# Altium PCB IG-1.PCBDOC (part 1 of 2)
Units mil, origin at the board's own origin, x right, y up, seen from the top; angles counter-clockwise.
Board outline 2566.93 x 964.57 mil, 4 copper layers (Top, GND Plane, Mid1-Ver, Bottom), stack 61.6 mil thick; 40 components, 37 nets, 555 pads, 335 vias.
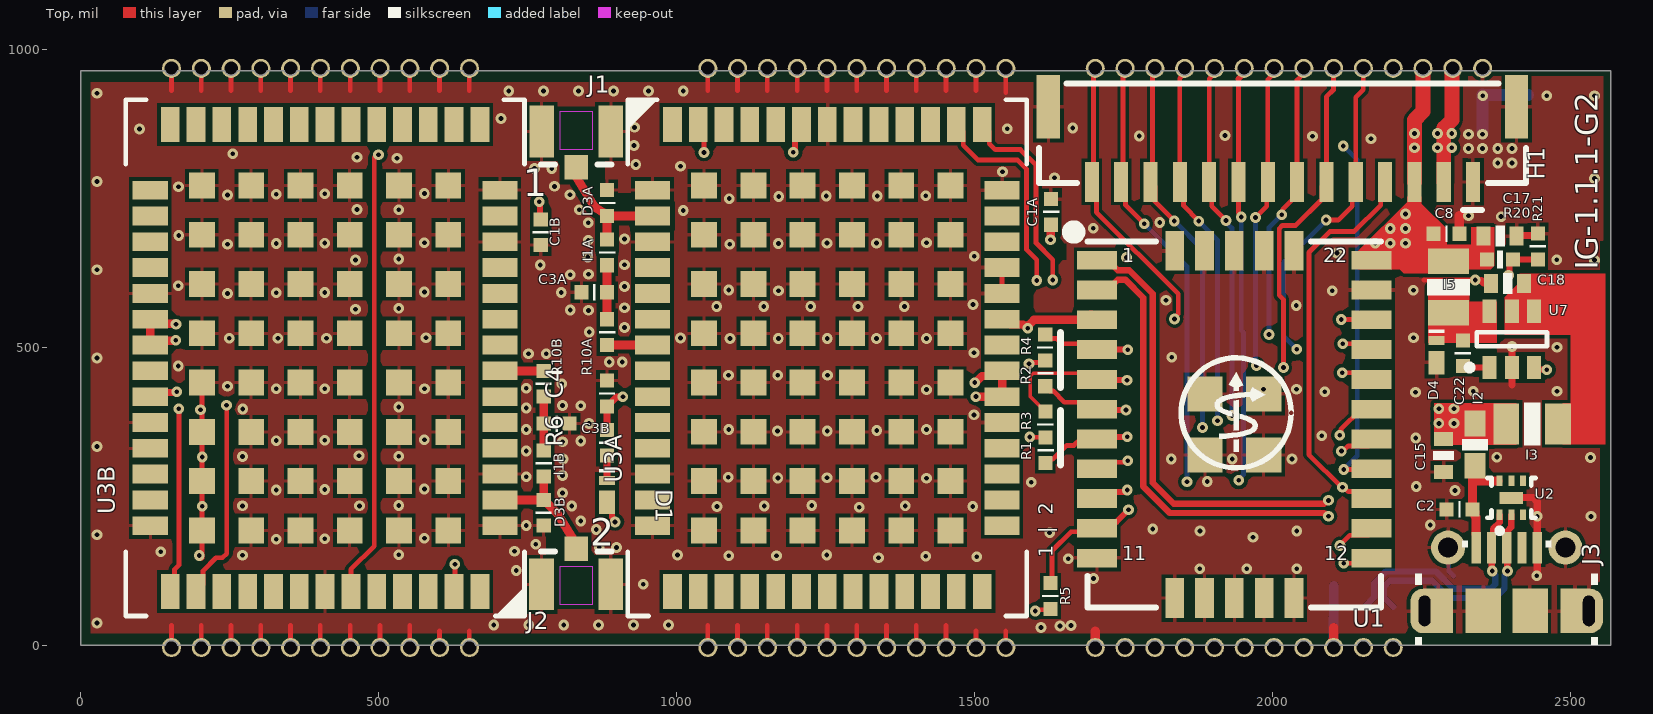
[diagram p0: Top view]
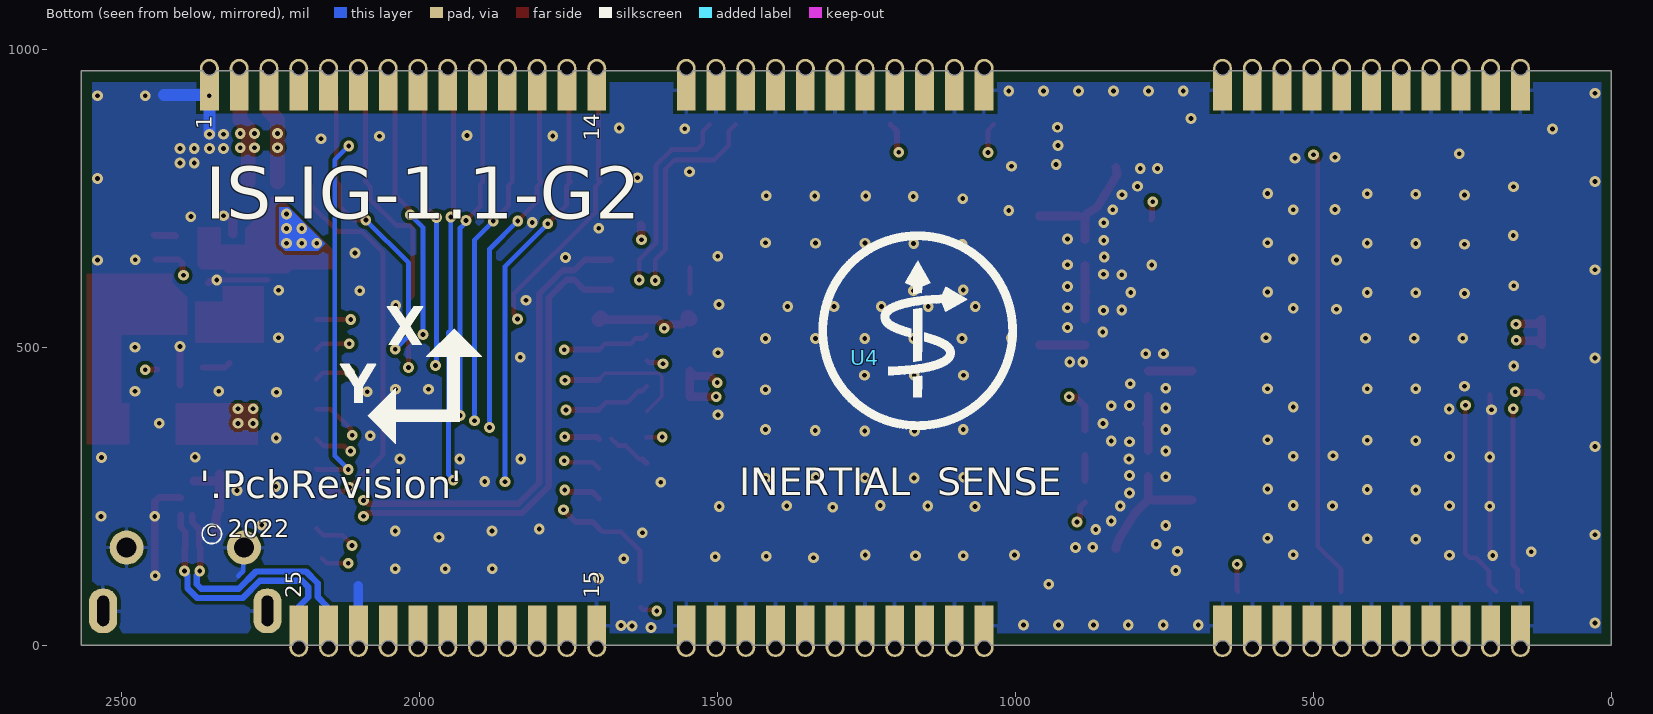
[diagram p1: Bottom view, seen from below]
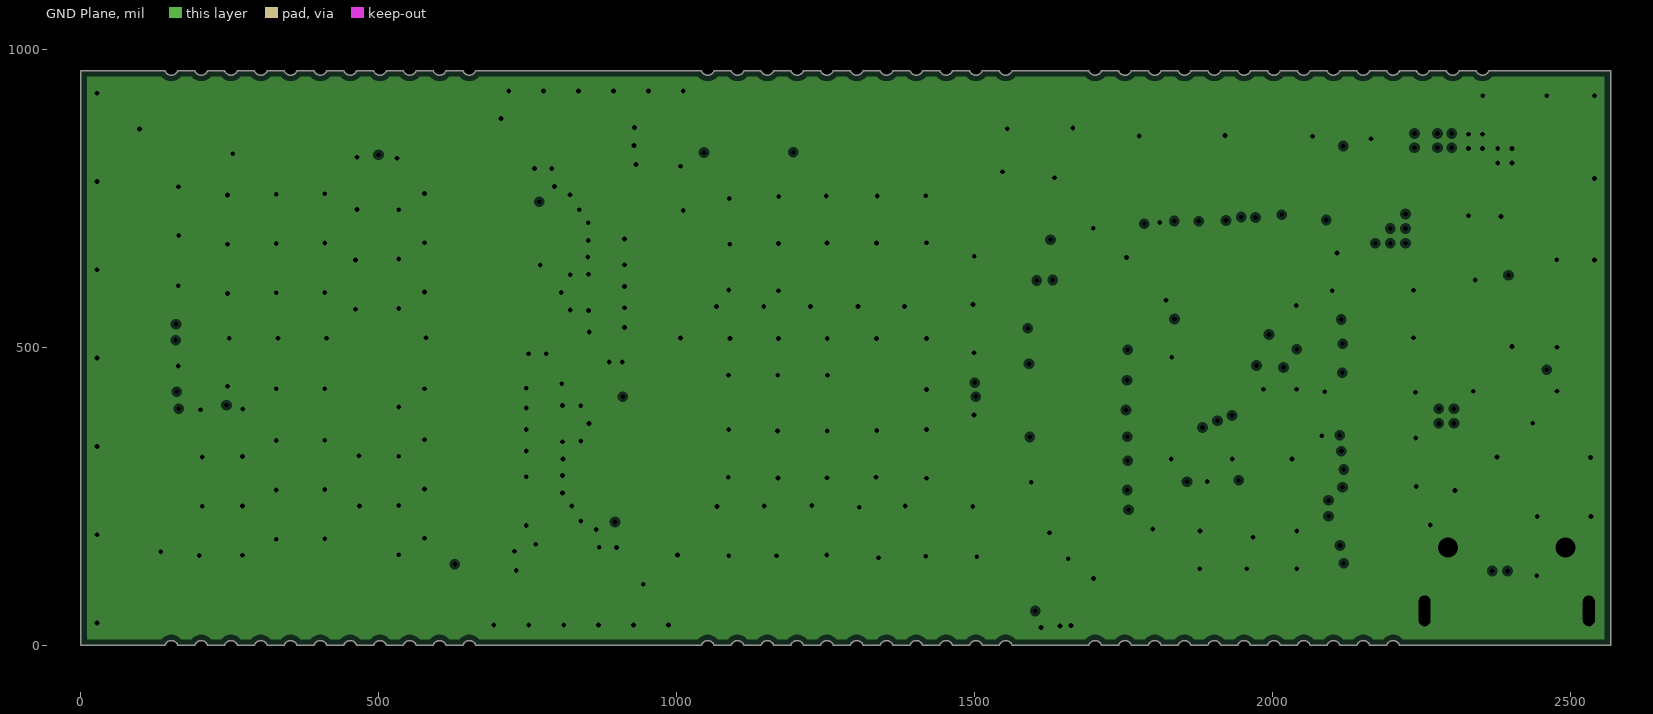
[diagram p2: GND Plane, clearances drawn from the general rule]
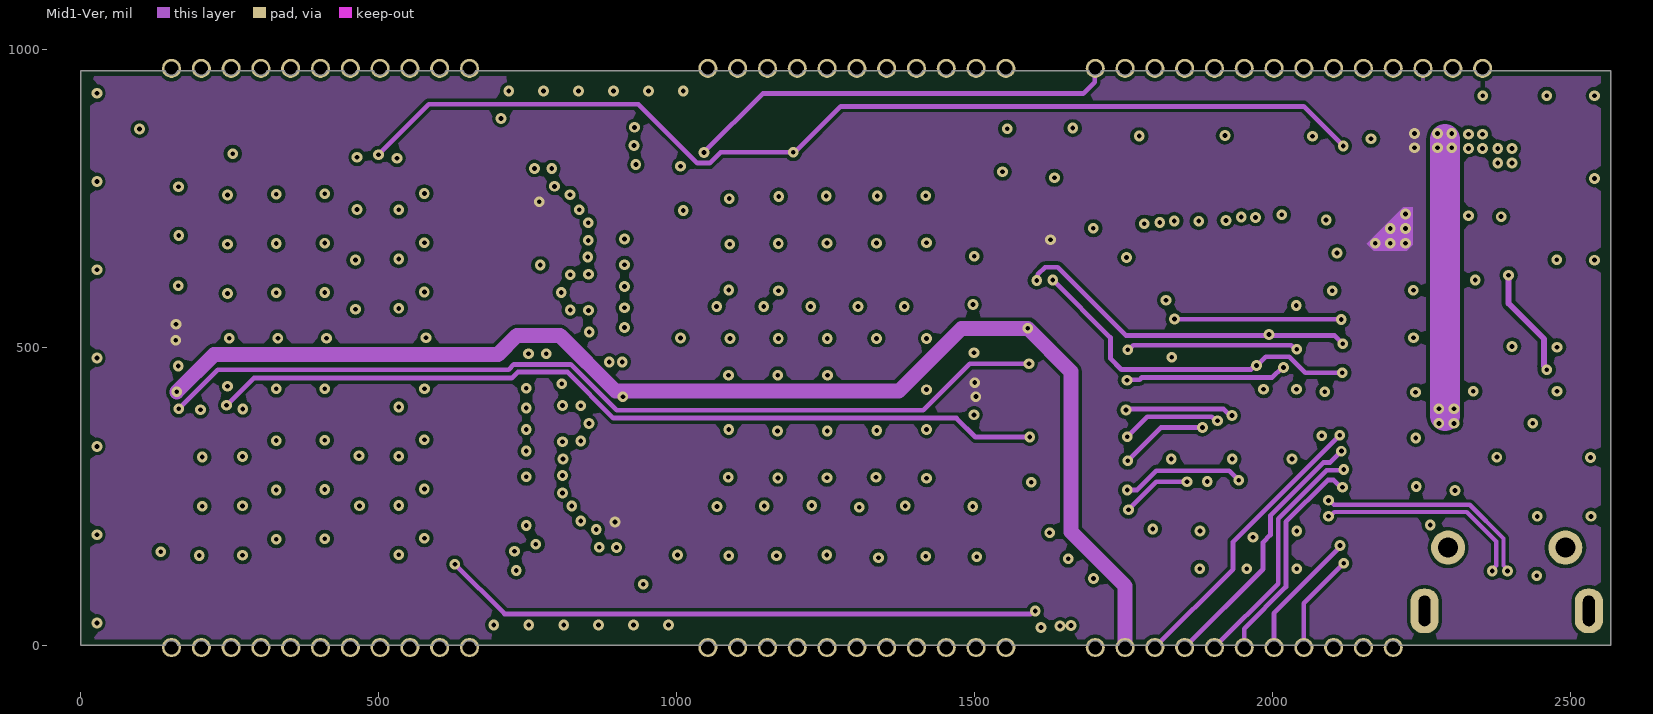
[diagram p3: Mid1-Ver]
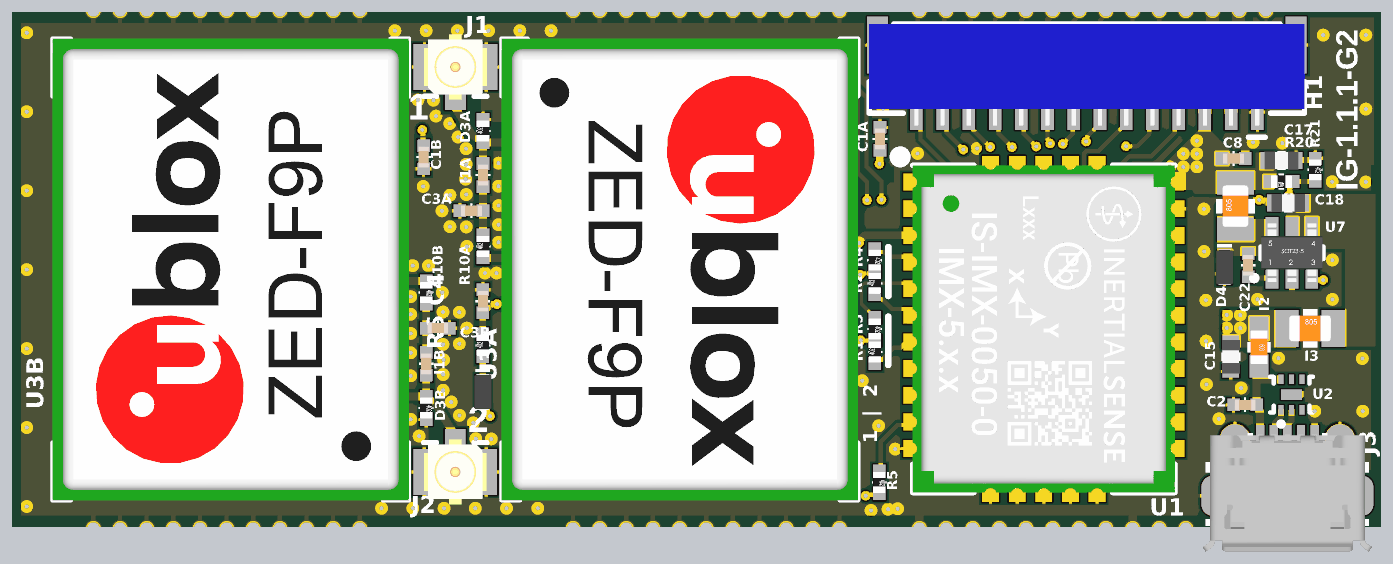
[diagram p5: 3D render of the assembled board from above, using the file's embedded part models]

## Layer stack, top to bottom
Solder Mask Top: solder mask 0.4, Solder Resist, Dk 3.5
Top: signal copper 2.1
Dielectric1: prepreg 8, PP-006, Dk 4.1
GND Plane: plane copper 0.7, net GND
Dielectric3: core 40, Core-009, Dk 4.5
Mid1-Ver: signal copper 0.7
Dielectric2: prepreg 8, PP-006, Dk 4.1
Bottom: signal copper 2.1
Solder Mask Bottom: solder mask 0.4, Solder Resist, Dk 3.5

## Board outline
212.8,0 240.92,0 cw(c251.86,-3.54) 262.8,0 290.92,0 cw(c301.86,-3.54) 312.8,0 340.92,0 cw(c351.86,-3.54) 362.8,0 390.92,0 cw(c401.86,-3.54) 412.8,0 440.92,0 cw(c451.86,-3.54) 462.8,0 490.92,0 cw(c501.86,-3.54) 512.8,0 540.92,0 cw(c551.86,-3.54) 562.8,0 590.92,0 cw(c601.86,-3.54) 612.8,0 640.92,0 cw(c651.86,-3.54) 662.8,0 1040.92,0 cw(c1051.86,-3.54) 1062.8,0 1090.92,0 cw(c1101.86,-3.54) 1112.8,0 1140.92,0 cw(c1151.86,-3.54) 1162.8,0 1190.92,0 cw(c1201.86,-3.54) 1212.8,0 1240.92,0 cw(c1251.86,-3.54) 1262.8,0 1290.92,0 cw(c1301.86,-3.54) 1312.8,0 1340.92,0 cw(c1351.86,-3.54) 1362.8,0 1390.92,0 cw(c1401.86,-3.54) 1412.8,0 1440.92,0 cw(c1451.86,-3.54) 1462.8,0 1490.92,0 cw(c1501.86,-3.54) 1512.8,0 1540.92,0 cw(c1551.86,-3.54) 1562.8,0 1690.92,0 cw(c1701.86,-3.54) 1712.8,0 1740.92,0 cw(c1751.86,-3.54) 1762.8,0 1790.92,0 cw(c1801.86,-3.54) 1812.8,0 1840.92,0 cw(c1851.86,-3.54) 1862.8,0 1890.92,0 cw(c1901.86,-3.54) 1912.8,0 1940.92,0 cw(c1951.86,-3.54) 1962.8,0 1990.92,0 cw(c2001.86,-3.54) 2012.8,0 2040.92,0 cw(c2051.86,-3.54) 2062.8,0 2090.92,0 cw(c2101.86,-3.54) 2112.8,0 2140.92,0 cw(c2151.86,-3.54) 2162.8,0 2190.92,0 cw(c2201.86,-3.54) 2212.8,0 2566.93,0 2566.93,964.57 2566.7,964.57 2362.8,964.57 cw(c2351.86,968.11) 2340.92,964.57 2312.8,964.57 cw(c2301.86,968.11) 2290.92,964.57 2262.8,964.57 cw(c2251.86,968.11) 2240.92,964.57 2212.8,964.57 cw(c2201.86,968.11) 2190.92,964.57 2162.8,964.57 cw(c2151.86,968.11) 2140.92,964.57 2112.8,964.57 cw(c2101.86,968.11) 2090.92,964.57 2062.8,964.57 cw(c2051.86,968.11) 2040.92,964.57 2012.8,964.57 cw(c2001.86,968.11) 1990.92,964.57 1962.8,964.57 cw(c1951.86,968.11) 1940.92,964.57 1912.8,964.57 cw(c1901.86,968.11) 1890.92,964.57 1862.8,964.57 cw(c1851.86,968.11) 1840.92,964.57 1812.8,964.57 cw(c1801.86,968.11) 1790.92,964.57 1762.8,964.57 cw(c1751.86,968.11) 1740.92,964.57 1712.8,964.57 cw(c1701.86,968.11) 1690.92,964.57 1562.8,964.57 cw(c1551.86,968.11) 1540.92,964.57 1512.8,964.57 cw(c1501.86,968.11) 1490.92,964.57 1462.8,964.57 cw(c1451.86,968.11) 1440.92,964.57 1412.8,964.57 cw(c1401.86,968.11) 1390.92,964.57 1362.8,964.57 cw(c1351.86,968.11) 1340.92,964.57 1312.8,964.57 cw(c1301.86,968.11) 1290.92,964.57 1262.8,964.57 cw(c1251.86,968.11) 1240.92,964.57 1212.8,964.57 cw(c1201.86,968.11) 1190.92,964.57 1162.8,964.57 cw(c1151.86,968.11) 1140.92,964.57 1112.8,964.57 cw(c1101.86,968.11) 1090.92,964.57 1062.8,964.57 cw(c1051.86,968.11) 1040.92,964.57 662.8,964.57 cw(c651.86,968.11) 640.92,964.57 612.8,964.57 cw(c601.86,968.11) 590.92,964.57 562.8,964.57 cw(c551.86,968.11) 540.92,964.57 512.8,964.57 cw(c501.86,968.11) 490.92,964.57 462.8,964.57 cw(c451.86,968.11) 440.92,964.57 412.8,964.57 cw(c401.86,968.11) 390.92,964.57 362.8,964.57 cw(c351.86,968.11) 340.92,964.57 312.8,964.57 cw(c301.86,968.11) 290.92,964.57 262.8,964.57 cw(c251.86,968.11) 240.92,964.57 212.8,964.57 cw(c201.86,968.11) 190.92,964.57 162.8,964.57 cw(c151.86,968.11) 140.92,964.57 0,964.57 0,0 140.92,0 cw(c151.86,-3.54) 162.8,0 190.92,0 cw(c201.86,-3.54)

## Design rules (kind name [scope] priority, off if disabled: settings)
AssemblyTestPointUsage [All] p1 off:
AssemblyTestpoint [All] p1 off: testpointundercomponent=TRUE minsize=40 maxsize=100 preferedsize=60 minholesize=0 maxholesize=40 preferedholesize=32 testpointgrid=1 usegrid=TRUE gridtolerance=0.01 allowsidetop=TRUE allowsidebottom=TRUE
BoardOutlineClearance BoardOutlineClearance_1 [OnLayer('Silkscreen Top')] p1: gap=0 ignorepadtopadclearanceinfootprint=FALSE
BoardOutlineClearance [All] p2 off: gap=9.84 ignorepadtopadclearanceinfootprint=FALSE
Clearance "Stitching GND" [IsStitchingVia and InNet('GND') vs (IsVia and (Not IsStitchingVia)) Or IsPad] p1: gap=1.97 ignorepadtopadclearanceinfootprint=FALSE
Clearance "Clearance - GPS Ant" [All vs InNet('GPS1_ANT')] p2: gap=8 ignorepadtopadclearanceinfootprint=FALSE except(0: Arc-Hole Track-Hole SMDPad-Hole THPad-Hole Via-Hole Fill-Hole Poly-Hole Region-Hole Text-Hole)
Clearance [All] p3: gap=5 ignorepadtopadclearanceinfootprint=FALSE except(0: Arc-Hole Track-Hole SMDPad-Hole THPad-Hole Via-Hole Fill-Hole Poly-Hole Region-Hole Text-Hole; 5.91: Arc-Fill Arc-Poly Arc-Region Track-Fill Track-Poly Track-Region SMDPad-Fill SMDPad-Poly SMDPad-Region THPad-Fill THPad-Poly THPad-Region Via-Fill Via-Poly Via-Region Fill-Fill Fill-Poly Fill-Region Poly-Poly Poly-Region Region-Region)
ComponentClearance Ignore [InComponent('H7')] p1: gap=-500 collisioncheckmode=3 verticalgap=-500 showdistances=FALSE
ComponentClearance HeaderClearance [InComponent('H1')] p2: gap=10 collisioncheckmode=3 verticalgap=-10 showdistances=FALSE
ComponentClearance Default [All] p3: gap=10 collisioncheckmode=3 verticalgap=10 showdistances=FALSE
DiffPairsRouting USB [InDifferentialPairClass('USB')] p1: maxlimit=5 minlimit=5 mostfreqgap=5 toplayer_minwidth=10.7 toplayer_maxwidth=10.8 toplayer_prefwidth=10.73 midlayer1_minwidth=6.9 midlayer1_maxwidth=7 midlayer1_prefwidth=6.97 bottomlayer_minwidth=10.7 bottomlayer_maxwidth=10.8 bottomlayer_prefwidth=10.73 impedanceprofiledriven=TRUE impedanceprofileid={BBA8E3E2-537E-421E-AE39-E3884618F825} impedanceprofilevalue=90.000000 maxuncoupledlength=500
DiffPairsRouting [All] p2: maxlimit=8 minlimit=8 mostfreqgap=8 toplayer_minwidth=8 toplayer_maxwidth=15 toplayer_prefwidth=15 midlayer1_minwidth=8 midlayer1_maxwidth=15 midlayer1_prefwidth=15 bottomlayer_minwidth=8 bottomlayer_maxwidth=15 bottomlayer_prefwidth=15 maxuncoupledlength=500
FabricationTestPointUsage [All] p1 off: valid=0 allowmultiple=FALSE
FabricationTestpoint [All] p1 off: side=3 testpointundercomponent=TRUE minsize=40 maxsize=100 preferedsize=60 minholesize=0 maxholesize=40 preferedholesize=32 testpointgrid=1 allowsidetop=TRUE allowsidebottom=TRUE usegrid=TRUE gridtolerance=0.01
HoleSize [All] p1: absolutevalues=TRUE maxlimit=200 minlimit=8 maxpercent=80.000 minpercent=20.000
HoleToHoleClearance [All] p1: gap=9 allowstackedmicrovias=TRUE
MinimumAnnularRing [All] p1: minimumring=4.5
MinimumSolderMaskSliver [All] p1: minsoldermaskwidth=3
PlaneClearance [All] p1: clearance=5
PlaneConnect "Power Plane Connect Style" [All] p1: planeconnectstyle=Direct reliefexpansion=20 reliefentries=4 reliefconductorwidth=7 reliefairgap=10
PolygonConnect "Default Polygon Connect" [All] p1: thpad.connectstyle=Relief thpad.reliefconductorwidth=5.91 thpad.reliefentries=4 thpad.polygonreliefangle="90 Angle" thpad.airgapwidth=5.91 smdpad.connectstyle=Relief smdpad.reliefconductorwidth=5.91 smdpad.reliefentries=4 smdpad.polygonreliefangle="90 Angle" smdpad.airgapwidth=5.91 via.connectstyle=Direct via.reliefconductorwidth=10 via.reliefentries=4 via.polygonreliefangle="90 Angle" via.airgapwidth=10
RoutingCorners "Routing Corners Default" [All] p1: cornerstyle=45-Degree minsetback=100 maxsetback=100
RoutingLayers "Routing Layers Default" [All] p1: top layer_v5=TRUE mid layer 1_v5=TRUE bottom layer_v5=TRUE
RoutingPriority "Routing Priority Default" [All] p1: routingpriority=0
RoutingVias "Via Style Default" [All] p1: holewidth=8 width=18 viastyle="Through Hole" minholewidth=8 minwidth=18 maxholewidth=8 maxwidth=18
SilkToBoardRegionClearance [All] p1 off:
SilkToSilkClearance [Not ( ((ObjectKind = 'Text') And ((UseInvertedRectangle = 'True') OR (IsTextInverted = 'True'))) OR (ObjectKind = 'Fill') ) vs Not ( ((ObjectKind = 'Text') And ((UseInvertedRectangle = 'True') OR (IsTextInverted = 'True'))) OR (ObjectKind = 'Fill') )] p1: silktosilkclearance=0.98
SilkToSolderMaskClearance SilkscreenOverComponentPads [NOT(IsPad AND OnLayer('Multi-Layer'))] p1: minsilkscreentomaskgap=0 clearancetoexposedcopper=TRUE
SolderMaskExpansion SolderMaskExpansion_Via [IsVia] p1: expansion=-19.68 istentingtop=FALSE
SolderMaskExpansion "Solder Mask Expansion" [All] p2: expansion=3 istentingtop=FALSE
Width "RF GPS" [InNetClass('RF_GPS')] p1: maxlimit=14.9 minlimit=10 preferedwidth=10 toplayer_minwidth=14.9 toplayer_prefwidth=14.9 impedanceprofiledriven=TRUE impedanceprofileid={02C63D6F-E359-4761-A6D5-DB4FA928AF7D} impedanceprofilevalue=50.000000 minimp=50.000000 maximp=50.000000 favimp=50.000000
Width "Width Default" [All] p2: maxlimit=150 minlimit=3 preferedwidth=5 minimp=50.000000 maximp=50.000000 favimp=50.000000
13 further rules are at their usual default settings.

## Classes and differential pairs
channel class GPS: GPS1 GPS2
differential pair class USB: USB.D
net class RF_GPS: GPS1_ANT GPS2_ANT
differential pair USB.D: +USB.D_P -USB.D_N

## Components (designator, comment, footprint, x,y, rotation, side; value= is the part's Value field where it differs from the comment)
C1A "Cap" 0402 1628.1,727.37 r90 top value=100nF (schematic designator C1)
C1B "Cap" 0402 771.65,693.11 r270 top value=100nF (schematic designator C1)
C2 "Cap" 0402 2313.28,228.32 r180 top value=100nF
C3A "Cap" 0402 861.42,592.52 r180 top value=100nF (schematic designator C3)
C3B "Cap" 0402 798.32,372.11 r0 top value=100nF (schematic designator C3)
C4 "Cap" 0402 882.78,422.66 r90 top value=2.2uF
C8 "Cap" 0402 2291.52,690.61 r0 top value=100nF
C15 "Cap" 0603 2286.32,318.59 r270 top value=2.2uF
C17 "Cap" 0603 2381.4,686.69 r0 top value=22uF
C18 "Cap" 0603 2394.04,607.28 r180 top value=2.2uF
C22 "Cap" 0402 2318.82,490.22 r90 top value=0.1uF
D1 "Diode - Schottky" D0603B 882.78,252.38 r270 top
D3A "Diode - Bidirectional Zener" R0402 883.07,742.12 r90 top (schematic designator D3)
D3B "Diode - Bidirectional Zener" R0402 776.67,222.5 r270 top (schematic designator D3)
D4 "Diode - Schottky" D0603B 2274.66,486.58 r270 top
H1 "Hdr - 14pin - mount" SM14B-GHS-TB(LF)(SN) 2016.21,956.74 r180 top
I1A "Inductor" 0402 883.07,659.45 r270 top value=120nH (schematic designator I1)
I1B "Inductor" 0402 776.67,305.18 r90 top value=120nH (schematic designator I1)
I2 "Inductor" I0603 2339.3,336.68 r270 top value="220 Ohm @ 100MHz"
I3 "Inductor" 0806 2435.18,371.7 r0 top value=2.2uH
I5 "Inductor" 0806 2295.1,601.29 r90 top value=2.2uH
J1 "RF - GND x 2" "RF UMC SMD" 831.2,862.23 r270 top locked
J2 "RF - GND x 2" "RF UMC SMD" 831.03,102.37 r90 top locked
J3 "USB-TYPEAB-4GND" "USB Micro AB R/A THR" 2392.51,57.75 r0 top locked
R1 "Res" R0402 1618.46,327.31 r90 top value=470
R2 "Res" R0402 1618.17,456.37 r90 top value=470
R3 "Res" R0402 1618.46,370.62 r270 top value=470
R4 "Res" R0402 1618.17,499.68 r270 top value=470
R5 "Res" R0402 1626.97,82.88 r270 top value=470
R6 "Res" R0402 882.78,339.98 r90 top value=1K
R10A "Res" R0402 883.07,525.59 r90 top value=10 (schematic designator R10)
R10B "Res" R0402 776.67,439.04 r270 top value=10 (schematic designator R10)
R20 "Res" R0402 2381.4,647.32 r180 top value=30.9K
R21 "Res" R0402 2444.66,669.39 r270 top value=10K
U1 "IMX" IS-IMX-5.0 1689.41,677.83 r0 top locked
U2 "VBUS053" QFN50P160X160X60-6N 2400.37,247.46 r90 top
U3A "ZED-F9P-01B" U-Blox_ZED-F9P 1252.46,482.31 r270 top locked (schematic designator U3)
U3B "ZED-F9P-01B" U-Blox_ZED-F9P 409.77,482.29 r90 top locked (schematic designator U3)
U4 "LGA PADS" IG-1.1-G2_LGA 0,0 r0 top locked
U7 "ADP2301" MO-178-AB 2401.09,513.46 r90 top

## Footprints (in the part's own frame and the unit in brackets; to place one, negate y for a bottom-side part, rotate by r counter-clockwise, add the part's x,y. Pads: shape width x height; smd on the part's side, far side on the other; paste and mask are expansions set on the pad)
0402 [mm]
  rect 0.6x0.6 smd: 1(-0.55,0) 2(0.55,0)
  silkscreen extent -0.05,-0.35 0.05,0.35, body extent -0.5,-0.25 0.5,0.25, height 0.51
0603 [mm]
  rect 0.6x0.8 smd: 1(-0.7,0) 2(0.7,0)
  silkscreen extent -0.2,-0.45 0.2,0.45, body extent -0.8,-0.43 0.8,0.43, height 0.87
0806 [mm]
  rect 1.1x1.75 smd: 1(-1.1,0) 2(1.1,0)
  silkscreen extent -0.35,-0.92 0.35,0.92, body extent -1,-0.62 1,0.63, height 0.78
D0603B [mm] "Molded Diode, 2-Leads, Body 1.60x0.80mm, IPC Medium Density"
  rect 1.005x0.69 smd: A(0.312,0)
  rect 0.385x0.69 smd: C(-0.625,0)
  silkscreen extent -1.1,-0.35 -0.95,0.35, body extent -0.86,-0.42 0.86,0.42, height 0.45
I0603 [mm]
  rect 1.1x0.9 smd: 1(-0.9,0) 2(0.9,0)
  silkscreen extent -0.25,-0.55 0.25,0.55, body extent -0.8,-0.4 0.8,0.4, height 0.3
IG-1.1-G2_LGA [mm] "IMX multi-frequency RTK-GNSS Module"
  rect 0.8x1.7 smd far side paste-2.54: 0(3.863,23.65) 0(3.863,0.85) 0(5.133,23.65) 0(5.133,0.85) 0(6.403,23.65) 0(6.403,0.85) 0(7.673,23.65) 0(7.673,0.85) 0(8.943,23.65) 0(8.943,0.85) 0(10.213,23.65) 0(10.213,0.85) 0(11.483,23.65) 0(11.483,0.85) 0(12.753,23.65) 0(12.753,0.85) 0(14.023,23.65) 0(14.023,0.85) 0(15.293,23.65) 0(15.293,0.85) 0(16.563,23.65) 0(16.563,0.85) 0(26.723,23.65) 0(26.723,0.85) 0(27.993,23.65) 0(27.993,0.85) 0(29.263,23.65) 0(29.263,0.85) 0(30.533,23.65) 0(30.533,0.85) 0(31.803,23.65) 0(31.803,0.85) 0(33.073,23.65) 0(33.073,0.85) 0(34.343,23.65) 0(34.343,0.85) 0(35.613,23.65) 0(35.613,0.85) 0(36.883,23.65) 0(36.883,0.85) 0(38.153,23.65) 0(38.153,0.85) 0(39.423,23.65) 0(39.423,0.85) 1(59.743,23.65) 2(58.473,23.65) 3(57.203,23.65) 4(55.933,23.65) 5(54.663,23.65) 6(53.393,23.65) 7(52.123,23.65) 8(50.853,23.65) 9(49.583,23.65) 10(48.313,23.65) 11(47.043,23.65) 12(45.773,23.65) 13(44.503,23.65) 14(43.233,23.65) 15(43.233,0.85) 16(44.503,0.85) 17(45.773,0.85) 18(47.043,0.85) 19(48.313,0.85) 20(49.583,0.85) 21(50.853,0.85) 22(52.123,0.85) 23(53.393,0.85) 24(54.663,0.85) 25(55.933,0.85)
  rect 0.8x0.4 smd far side paste-2 mask+0.038: 0(3.863,24.25) 0(3.863,0.25) 0(5.133,24.25) 0(5.133,0.25) 0(6.403,24.25) 0(6.403,0.25) 0(7.673,24.25) 0(7.673,0.25) 0(8.943,24.25) 0(8.943,0.25) 0(10.213,24.25) 0(10.213,0.25) 0(11.483,24.25) 0(11.483,0.25) 0(12.753,24.25) 0(12.753,0.25) 0(14.023,24.25) 0(14.023,0.25) 0(15.293,24.25) 0(15.293,0.25) 0(16.563,24.25) 0(16.563,0.25) 0(26.723,24.25) 0(26.723,0.25) 0(27.993,24.25) 0(27.993,0.25) 0(29.263,24.25) 0(29.263,0.25) 0(30.533,24.25) 0(30.533,0.25) 0(31.803,24.25) 0(31.803,0.25) 0(33.073,24.25) 0(33.073,0.25) 0(34.343,24.25) 0(34.343,0.25) 0(35.613,24.25) 0(35.613,0.25) 0(36.883,24.25) 0(36.883,0.25) 0(38.153,24.25) 0(38.153,0.25) 0(39.423,24.25) 0(39.423,0.25) 1(59.743,24.25) 2(58.473,24.25) 3(57.203,24.25) 4(55.933,24.25) 5(54.663,24.25) 6(53.393,24.25) 7(52.123,24.25) 8(50.853,24.25) 9(49.583,24.25) 10(48.313,24.25) 11(47.043,24.25) 12(45.773,24.25) 13(44.503,24.25) 14(43.233,24.25) 15(43.233,0.25) 16(44.503,0.25) 17(45.773,0.25) 18(47.043,0.25) 19(48.313,0.25) 20(49.583,0.25) 21(50.853,0.25) 22(52.123,0.25) 23(53.393,0.25) 24(54.663,0.25) 25(55.933,0.25)
  round 0.813 hole 0.584 mask-0.051: 0(3.863,24.59) 0(3.863,-0.09) 0(5.133,24.59) 0(5.133,-0.09) 0(6.403,24.59) 0(6.403,-0.09) 0(7.673,24.59) 0(7.673,-0.09) 0(8.943,24.59) 0(8.943,-0.09) 0(10.213,24.59) 0(10.213,-0.09) 0(11.483,24.59) 0(11.483,-0.09) 0(12.753,24.59) 0(12.753,-0.09) 0(14.023,24.59) 0(14.023,-0.09) 0(15.293,24.59) 0(15.293,-0.09) 0(16.563,24.59) 0(16.563,-0.09) 0(26.723,24.59) 0(26.723,-0.09) 0(27.993,24.59) 0(27.993,-0.09) 0(29.263,24.59) 0(29.263,-0.09) 0(30.533,24.59) 0(30.533,-0.09) 0(31.803,24.59) 0(31.803,-0.09) 0(33.073,24.59) 0(33.073,-0.09) 0(34.343,24.59) 0(34.343,-0.09) 0(35.613,24.59) 0(35.613,-0.09) 0(36.883,24.59) 0(36.883,-0.09) 0(38.153,24.59) 0(38.153,-0.09) 0(39.423,24.59) 0(39.423,-0.09) 1(59.743,24.59) 2(58.473,24.59) 3(57.203,24.59) 4(55.933,24.59) 5(54.663,24.59) 6(53.393,24.59) 7(52.123,24.59) 8(50.853,24.59) 9(49.583,24.59) 10(48.313,24.59) 11(47.043,24.59) 12(45.773,24.59) 13(44.503,24.59) 14(43.233,24.59) 15(43.233,-0.09) 16(44.503,-0.09) 17(45.773,-0.09) 18(47.043,-0.09) 19(48.313,-0.09) 20(49.583,-0.09) 21(50.853,-0.09) 22(52.123,-0.09) 23(53.393,-0.09) 24(54.663,-0.09) 25(55.933,-0.09)
  body extent 3.46,0.05 60.14,24.45, height 0
IS-IMX-5.0 [mm] "Inerial Sense IMX-5.0, 22pins 1.27mm pitch"
  rect 1.5x1.5 smd: 0(5,-9.1) 0(5,-6.5) 0(7.5,-9.1) 0(7.5,-6.5)
  rect 1.7x0.8 smd paste-2.54: 1(0.4,-0.8) 2(0.4,-2.07) 3(0.4,-3.34) 4(0.4,-4.61) 5(0.4,-5.88) 6(0.4,-7.15) 7(0.4,-8.42) 8(0.4,-9.69) 9(0.4,-10.96) 10(0.4,-12.23) 11(0.4,-13.5) 12(12.1,-13.5) 13(12.1,-12.23) 14(12.1,-10.96) 15(12.1,-9.69) 16(12.1,-8.42) 17(12.1,-7.15) 18(12.1,-5.88) 19(12.1,-4.61) 20(12.1,-3.34) 21(12.1,-2.07) 22(12.1,-0.8)
  rect 0.8x1.7 smd paste-2.54: 23(3.71,-15.2) 23(4.98,-15.2) 23(6.25,-15.2) 23(7.52,-15.2) 23(8.79,-15.2) 24(3.71,-0.4) 24(4.98,-0.4) 24(6.25,-0.4) 24(7.52,-0.4) 24(8.79,-0.4)
  silkscreen extent -0.85,-15.6 12.5,0.65, body extent 0,-15.6 12.5,0, height 2.89
MO-178-AB [mm] "SOT23, 6-Leads, Body 3.0x2.8mm (max), Pitch 0.95mm, IPC Medium Density"
  rect 1x0.6 smd: 1(-1.2,0.95) 2(-1.2,0) 3(-1.2,-0.95) 4(1.2,-0.95) 5(1.2,0) 6(1.2,0.95)
  silkscreen extent -1.32,-1.5 0.3,1.92, body extent -1.4,-1.45 1.41,1.45, height 1.12
QFN50P160X160X60-6N [mm] "QFN, 6-Leads, Body 1.6x1.6mm (max), Pitch 0.50mm, IPC Medium Density"
  rect 0.45x0.25 smd: 1(-0.725,0.5) 2(-0.725,0) 3(-0.725,-0.5) 4(0.725,-0.5) 5(0.725,0) 6(0.725,0.5)
  rect 0.5x1 smd: 7(0,0)
  silkscreen extent -1.5,-1.02 0.85,1.02, body extent -0.82,-0.82 0.82,0.82, height 0.6
R0402 [mm]
  rect 0.6x0.6 smd: 1(-0.55,0) 2(0.55,0)
  silkscreen extent -0.05,-0.36 0.05,0.34, body extent -0.5,-0.3 0.5,0.3, height 0.2
"RF UMC SMD" [mm] "Ultra Miniature Coaxial Surface Mount"
  rect 1.05x1 smd: 1(1.525,0)
  rect 2.2x1.05 smd: 2(0,-1.475) 3(0,1.475)
  Top pour cut-out: -1.05,0.95 -1.05,-0.95 0.9,-0.95 0.9,0.95
  Top keep-out region: -0.85,0.7 -0.85,-0.7 0.75,-0.7 0.75,0.7
  silkscreen extent 1.4,-1.5 1.4,1.5, body extent -1.55,-1.5 1.55,1.5, height 1.3
SM14B-GHS-TB(LF)(SN) [mm] "CONN HEADER GH TOP 15POS 1.25MM"
  rect 1x2.7 smd: 0(-9.975,1.35) 0(9.975,1.35)
  rect 0.6x1.7 smd: 1(-8.125,4.55) 2(-6.875,4.55) 3(-5.625,4.55) 4(-4.375,4.55) 5(-3.125,4.55) 6(-1.875,4.55) 7(-0.625,4.55) 8(0.625,4.55) 9(1.875,4.55) 10(3.125,4.55) 11(4.375,4.55) 12(5.625,4.55) 13(6.875,4.55) 14(8.125,4.55)
  silkscreen extent -10.38,0.35 10.38,5.75, body extent -10.37,0.35 10.37,5.2, height 4.35